# Altium PCB RobotCtrl.PcbDoc (part 2 of 2)
Units mil, origin at the board's own origin, x right, y up, seen from the top; angles counter-clockwise.
Board outline 4952 x 3089 mil, 2 copper layers (Top Layer, Bottom Layer); 127 components, 102 nets, 567 pads, 140 vias.
Unrouted connection lines stored in the file: 14.
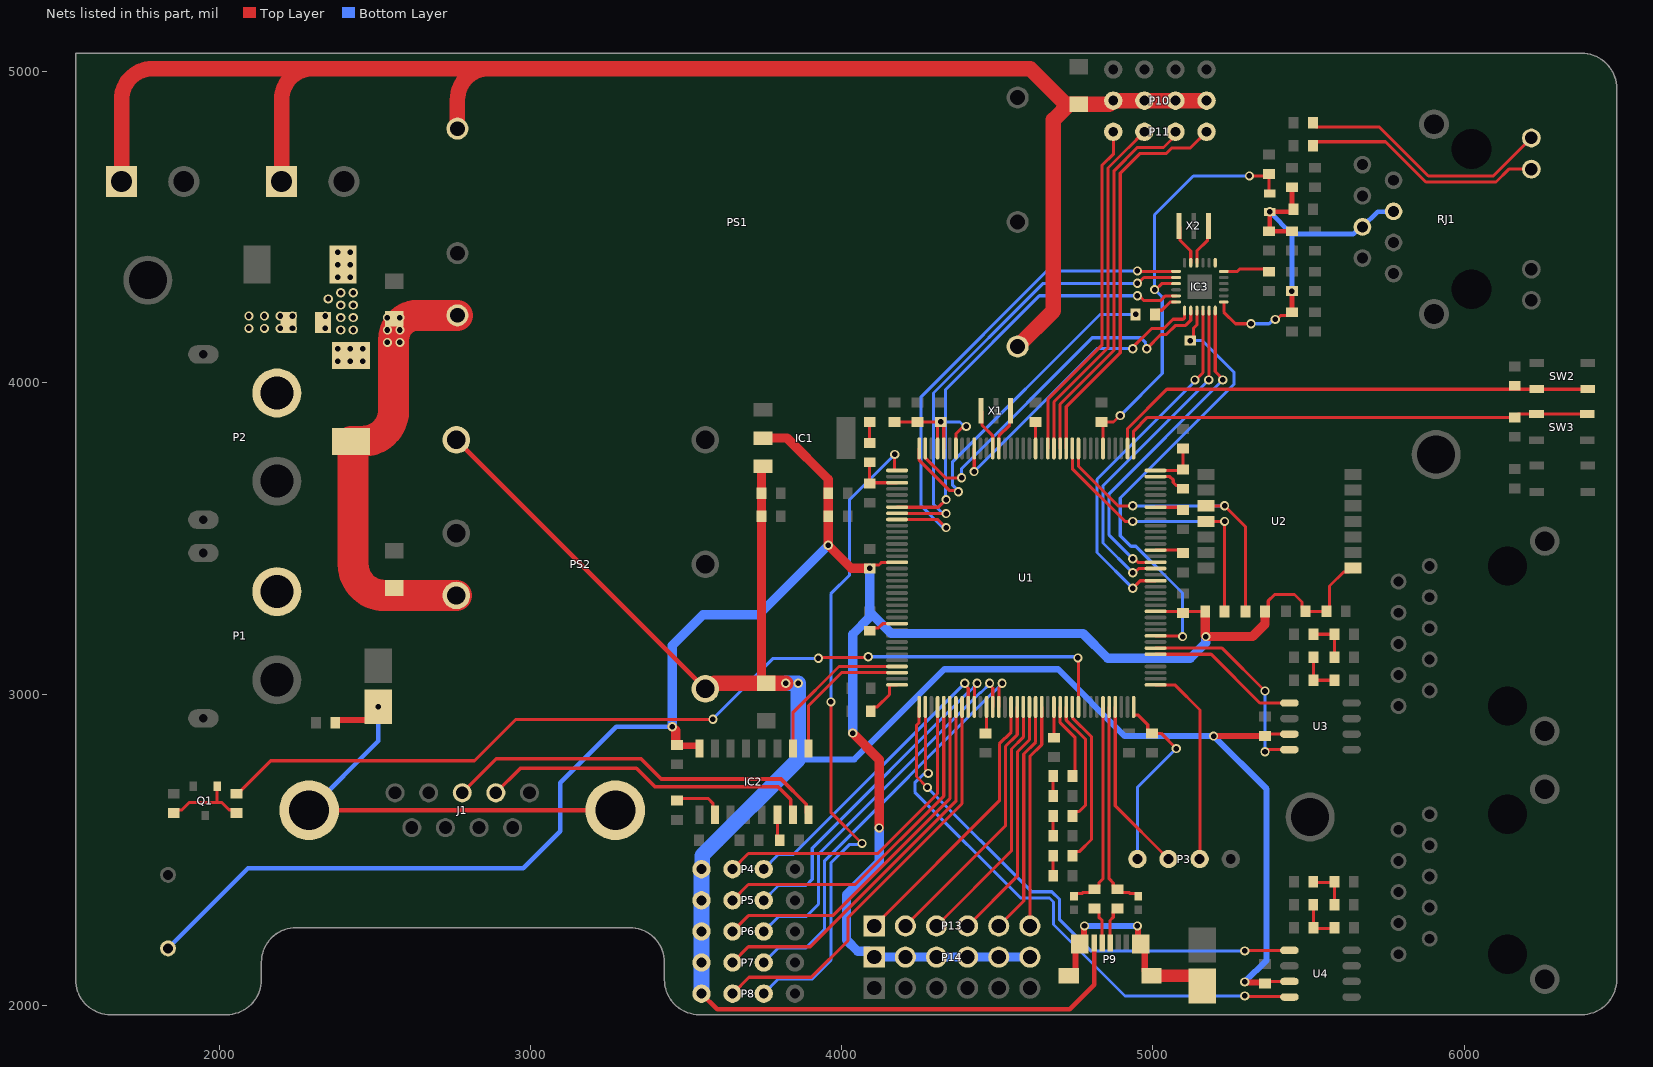
[diagram p2: the nets of this part, all layers, seen from the top]

## Via types
v1: diameter 29.53, hole 17.72, Top Layer to Bottom Layer, 136 vias
v2: diameter 23.86, hole 11.81, Top Layer to Bottom Layer, 4 vias

## Nets (pads, with @x,y where several pads share a name; then routed paths per layer and width w, separated by ;. In a path a pad name is that pad's centre, name@x,y a point inside that pad or via, vN(x,y) a via of type N, cw(c..) or ccw(c..) an arc to the next point about the centre after c; other vN are vias at no path point) (continued)
NetC37_2: C37.2 IC2.2 | length 164.4
  Top Layer w10: C37.2@3470.23,2658.1 3477.13,2665 3570,2665 3585.83,2649.17 3585.83,2619.76 IC2.2@3592.89,2612.7
NetC38_2: C38.2 IC2.6 | length 85.6
  Top Layer w10: IC2.6@3792.89,2612.7 3792.89,2538.29 C38.2@3800.78,2530.4
NetC41_2: C41.2 SW2.1 U1.2 | length 1613.6
  Top Layer w10: U1.2@4918.08,3789.51 4918.17,3789.59 4918.17,3853.17 5044.68,3979.68 C41.2@6177.17,3979.68 ; C41.2@6162.8,3990.9 6165.95,3990.9 C41.2@6177.17,3979.68 ; SW2.1@6396.69,3979.68 SW2.1@6233.31,3979.68 C41.2@6177.17,3979.68
NetC42_1: C42.1 R18.2 R20.1 | length 148.9
  Top Layer w10: R20.1@5515.63,3192.18 R18.2@5582.18,3192.18 ; C42.1@5583.31,3118.3 5583.31,3178.28 5576.59,3185 5575,3185 R18.2@5582.18,3192.18 ; R18.2@5583.31,3192.18 R18.2@5582.18,3192.18
NetC43_1: C43.1 R19.1 R21.2 | length 141.6
  Top Layer w10: C43.1@5515.63,3118.3 R21.2@5515.63,3044.41 R19.1@5583.31,3044.41
NetC45_2: C45.2 SW3.1 U1.1 | length 1536.3
  Top Layer w10: U1.1@4937.77,3789.51 4937.77,3845.05 4981.92,3889.2 C45.2@6162.8,3889.2 6173.55,3899.95 SW3.1@6232.37,3899.95 ; SW3.1@6232.37,3900.42 SW3.1@6395.76,3900.42
NetC46_1: C46.1 R23.2 R25.1 | length 148.9
  Top Layer w10: R25.1@5515.63,2394.77 R23.2@5582.18,2394.77 ; C46.1@5583.31,2320.88 5583.31,2380.87 5576.59,2387.59 5575,2387.59 R23.2@5582.18,2394.77 ; R23.2@5583.31,2394.77 R23.2@5582.18,2394.77
NetC47_1: C47.1 R24.1 R26.2 | length 141.6
  Top Layer w10: C47.1@5515.63,2320.88 5515.63,2247 R24.1@5583.31,2247
NetD1_1: D1.1 D2.2 F1.2
  other v1: 2380,4070 2420,4070 2460,4070 2380,4110 2420,4110 2460,4110 2390,4170 2430,4170 2340,4175 2390,4210 2430,4210 2340,4215 2390,4250 2430,4250 2350,4270 2390,4290 2430,4290 2380,4340 2420,4340 2380,4380 2420,4380 2380,4420 2420,4420
NetD3_A: D3.1 R1.1 | length 67.7
  Top Layer w10: R1.1@4089.72,3806.93 D3.1@4089.72,3874.61
NetD4_2: D4.2 J1.MH1 J1.MH2 R11.2 | length 1575.1
  Top Layer w15: J1.MH1@2288.44,2626.95 J1.MH2@3272.46,2626.95
  Top Layer w20: R11.2@2372.64,2907.6 2372.64,2910.75 2378.39,2916.5 2476.6,2916.5 2510.89,2950.79 v1(2510.89,2959.32)
  Bottom Layer w15: J1.MH1@2288.44,2626.95 2510.89,2849.4 v1(2510.89,2959.32)
NetD5_A: D5.1 R22.1 | length 64
  Top Layer w10: D5.1@4679.3,2672.67 R22.1@4679.3,2736.67
NetD6_A: D6.1 R27.1 | length 64
  Top Layer w10: D6.1@4679.3,2544.67 R27.1@4679.3,2608.67
NetD7_A: D7.1 R28.1 | length 64
  Top Layer w10: D7.1@4679.3,2416.67 R28.1@4679.3,2480.67
NetD10_1: D10.1 P9.EH | length 673.8
  Top Layer w20: P9.EH@4729.41,2095.03 4735.41,2095.03 4751,2110.62 4751,2183.04 P9.EH@4764.37,2196.41 4778.18,2210.21 4778.18,2253.18 v1(4780,2255) ; v1(4950,2255) 4951.82,2253.18 4951.82,2204.79 P9.EH@4960.2,2196.41 ; P9.EH@4973.57,2110.62 P9.EH@4973.57,2183.04
  Top Layer w40: P9.EH@4995.16,2095.03 5137.49,2095.03 5158.71,2073.81 D10.1@5158.71,2062
  Bottom Layer w20: v1(4780,2255) v1(4950,2255)
NetF1_1: F1.1 P1.1 P2.1
  other v1: 2095,4175 2145,4175 2195,4175 2235,4175 2095,4215 2145,4215 2195,4215 2235,4215
NetIC2_9: IC2.9 U1.70 | length 466.6
  Top Layer w10: IC2.9@3892.89,2825.3 3892.89,2962.89 3999.04,3069.04 U1.70@4177.93,3069.04
NetIC2_10: IC2.10 U1.69 | length 511.7
  Top Layer w10: IC2.10@3842.89,2825.3 3842.89,2940.61 3991,3088.72 U1.69@4177.93,3088.72
NetIC3_4: IC3.4 X2.1 | length 133.8
  Top Layer w10: IC3.4@5141.06,4385.97 5141.06,4423.89 5175.75,4458.57 5175.75,4501.33 X2.1@5178.62,4504.2
NetIC3_5: IC3.5 X2.3 | length 133.8
  Top Layer w10: X2.3@5083.82,4504.2 5086.69,4501.33 5086.69,4458.57 5121.38,4423.89 IC3.5@5121.38,4385.97
NetIC3_7: IC3.7 U1.45 | length 1614.7
  Top Layer w10: U1.45@4177.93,3561.16 4308.84,3561.16 v1(4335,3535) ; v1(4950,4360) 4951.51,4358.49 5074.05,4358.49 IC3.7@5074.13,4358.41
  Bottom Layer w10: v1(4335,3535) 4331.26,3538.74 4321.26,3538.74 4255,3605 4255,3955.44 4659.56,4360 v1(4950,4360)
NetIC3_8: IC3.8 U1.44 | length 1500.4
  Top Layer w10: U1.44@4177.93,3580.85 4334.15,3580.85 v1(4335,3580) ; v1(4950,4320) 4952.09,4320 4970.82,4338.73 IC3.8@5074.13,4338.73
  Bottom Layer w10: v1(4335,3580) 4331.26,3583.74 4321.26,3583.74 4295,3610 4295,3967.72 4647.28,4320 v1(4950,4320)
NetIC3_11: IC3.11 U1.43 | length 1405
  Top Layer w10: U1.43@4177.93,3600.53 4310.31,3600.53 4334.77,3625 v1(4335,3625) ; IC3.11@5074.05,4279.75 IC3.11@5074.13,4279.67 5039.67,4279.67 5025,4265 4970.28,4265 v1@4955.53,4279.75 ; v1@4955.53,4279.75 4955.28,4280 v1(4950,4280) 4950.25,4279.75 v1@4955.53,4279.75
  Bottom Layer w10: v1(4335,3625) 4333.39,3626.61 4333.39,3978.39 4635,4280 v1(4950,4280)
NetIC3_12: IC3.12 R8.1 | length 86.2
  Top Layer w10: R8.1@5006.1,4220 5006.1,4222.73 5016.85,4233.48 5028.48,4233.48 5054.99,4259.99 IC3.12@5074.13,4259.99
NetIC3_13: IC3.13 U1.27 | length 981.8
  Top Layer w10: v1(4425,3715) 4425.61,3715.61 4425.61,3789.16 U1.27@4425.96,3789.51 ; v1(4935,4110) 4935,4114.14 4995.86,4175 5035,4175 5064.6,4204.6 5096.88,4204.6 5101.69,4209.41 IC3.13@5101.69,4232.43
  Bottom Layer w10: v1(4425,3715) 4820,4110 v1(4935,4110)
NetIC3_14: IC3.14 U1.35 | length 1205.7
  Top Layer w10: U1.35@4268.48,3789.51 4268.48,3759.98 4333.46,3695 v1(4385,3695) ; v1(4980,4110) 5025.4,4155.4 5043.12,4155.4 5072.72,4185 5105,4185 5121.38,4201.38 IC3.14@5121.38,4232.43
  Bottom Layer w10: v1(4385,3695) 4385,3725 4805,4145 4960.28,4145 4976.59,4128.68 4976.59,4113.41 v1(4980,4110)
NetIC3_15: IC3.15 R12.1 U1.117 | length 1467.6
  Top Layer w10: U1.117@5008.63,3187.15 5008.98,3186.8 5093.2,3186.8 v1(5095,3185) ; v1(5120,4136.1) 5130,4146.1 5130,4175 5141.06,4186.06 IC3.15@5141.06,4232.43
  Bottom Layer w10: v1(5095,3185) 5095,3325 4945,3475 4929,3475 4895,3509 4895,3630 5260,3995 5260,4035 5158.9,4136.1 v1(5120,4136.1)
NetIC3_16: IC3.16 U1.126 | length 1166.3
  Top Layer w10: v1(4935,3340) 4959.31,3364.31 U1.126@5008.63,3364.31 ; v1(5135,4009.44) 5137.33,4009.44 5160.75,4032.86 IC3.16@5160.75,4232.43
  Bottom Layer w10: v1(4935,3340) 4820,3455 4820,3690 5135,4005 v1(5135,4009.44)
NetIC3_17: IC3.17 U1.128 | length 1102.4
  Top Layer w10: v1(4935,3390) 4940.28,3390 4953.97,3403.68 U1.128@5008.63,3403.68 ; v1(5179.42,4009.44) 5180.35,4010.37 IC3.17@5180.43,4232.43 IC3.17@5180.43,4232.43
  Bottom Layer w10: v1(4935,3390) 4839.6,3485.4 4839.6,3669.62 v1(5179.42,4009.44)
NetIC3_18: IC3.18 U1.129 | length 1068.7
  Top Layer w10: v1(4935,3435) 4940.28,3435 4951.92,3423.37 U1.129@5008.63,3423.37 ; IC3.18@5200.12,4232.43 5200.12,4036.42 5224.53,4012.01 v1(5224.53,4009.44)
  Bottom Layer w10: v1(4935,3435) 4859.2,3510.8 4859.2,3644.11 v1(5224.53,4009.44)
NetIC3_24: IC3.24 R13.1 | length 152.2
  Top Layer w10: IC3.24@5227.68,4358.41 5271.69,4358.41 5279.88,4366.6 5363.54,4366.6 R13.1@5372.72,4357.42
NetP3_2: P3.2 U1.109 | length 655.1
  Top Layer w10: U1.109@5008.63,3029.67 5070.33,3029.67 5150.89,2949.11 5150.89,2470.89 P3.2@5150,2470
NetP3_3: P3.3 U1.105 | length 559.7
  Top Layer w10: U1.105@4878.71,2958.8 4878.8,2958.71 4878.8,2641.2 P3.3@5050,2470
NetP4_2: P4.2 U1.76 | length 1037.8
  Top Layer w10: P4.2@3649.3,2437.45 3699.85,2488 4115.84,2488 4307.85,2680 U1.76@4307.85,2958.8
NetP4_3: P4.3 U1.81 | length 974.1
  Top Layer w10: v1(4395,3035) 4395,3029.72 4406.27,3018.44 U1.81@4406.27,2958.8
  Bottom Layer w10: P4.3@3749.3,2437.45 3796.85,2485 3845,2485 v1(4395,3035)
NetP5_2: P5.2 U1.77 | length 1103.6
  Top Layer w10: P5.2@3649.3,2337.45 3699.85,2388 4043.56,2388 4327.53,2671.97 U1.77@4327.53,2958.8
NetP5_3: P5.3 U1.82 | length 1114.4
  Top Layer w10: U1.82@4425.96,2958.8 4425.96,3020.67 4435,3029.72 v1(4435,3035)
  Bottom Layer w10: P5.3@3749.3,2337.45 3796.85,2385 3885,2385 3905,2405 3905,2505 4405.24,3005.24 4407.33,3005.24 4435,3032.91 v1(4435,3035)
NetP6_2: P6.2 U1.78 | length 1169.4
  Top Layer w10: P6.2@3649.3,2237.45 3699.85,2288 3971.28,2288 4347.22,2663.94 U1.78@4347.22,2958.8
NetP6_3: P6.3 U1.85 | length 1231.4
  Top Layer w10: v1(4475,3035) 4475,3029.72 4485.01,3019.71 U1.85@4485.01,2958.8
  Bottom Layer w10: P6.3@3749.3,2237.45 3796.85,2285 3885,2285 3925,2325 3925,2485 4445.24,3005.24 4447.33,3005.24 4475,3032.91 v1(4475,3035)
NetP7_2: P7.2 U1.79 | length 1235.3
  Top Layer w10: P7.2@3649.3,2137.45 3699.85,2188 3899,2188 4366.82,2655.82 4366.82,2958.71 U1.79@4366.9,2958.8
NetP7_3: P7.3 U1.86 | length 1348
  Top Layer w10: U1.86@4504.7,2958.8 4504.7,3019.41 4515,3029.72 v1(4515,3035)
  Bottom Layer w10: P7.3@3749.3,2137.45 3796.85,2185 3885,2185 3945,2245 3945,2465 4485.24,3005.24 4487.33,3005.24 4515,3032.91 v1(4515,3035)
NetP8_2: P8.2 U1.80 | length 1344
  Top Layer w10: P8.2@3649.3,2037.45 3701.85,2090 3902,2090 4020,2208 4020,2281.28 4386.59,2647.87 U1.80@4386.59,2958.8
NetP8_3: P8.3 U1.37 | length 2133.6
  Top Layer w10: v1(3965,2975) 3965,2620 v1(4065,2520) ; v1(4170,3770) 4170,3719.48 4170.84,3718.64 U1.37@4177.93,3718.64
  Bottom Layer w10: P8.3@3749.3,2037.45 3796.85,2085 3905,2085 3965,2145 3965,2457.28 4023.98,2516.26 4061.26,2516.26 v1(4065,2520) ; v1(3965,2975) 3965,3322.09 4025,3382.09 4025,3625 v1(4170,3770)
NetP9_2: P9.2 R29.2 | length 123.2
  Top Layer w10: R29.2@4812.29,2311.04 4815.44,2311.04 4826.18,2300.29 4826.18,2282.82 4836.7,2272.3 P9.2@4836.7,2199.76
NetP9_3: P9.3 R30.2 | length 123.2
  Top Layer w10: P9.3@4861.76,2199.76 4861.76,2272.3 4872.27,2282.82 4872.27,2300.29 4883.02,2311.04 R30.2@4886.17,2311.04
NetP11_1: P11.1 U1.12 | length 1289
  Top Layer w10: U1.12@4721.23,3789.51 4721.23,3923.33 4894.83,4096.92 4894.83,4674.04 4957.54,4736.76 5041.76,4736.76 5060,4755 5120.35,4755 P11.1@5172.35,4807
NetP11_2: P11.2 U1.13 | length 1221.1
  Top Layer w10: U1.13@4701.2,3789.16 4701.2,3931.01 4874.97,4104.78 4874.97,4597.69 4875.23,4597.69 4875.23,4682.16 4949.43,4756.36 5033.64,4756.36 5072.35,4795.07 P11.2@5072.35,4807
NetP11_3: P11.3 U1.14 | length 1138.2
  Top Layer w10: U1.14@4681.86,3789.51 4681.86,3939.02 4855.63,4112.79 4855.63,4690.63 4920,4755 4920.17,4754.83 P11.3@4972.35,4807
NetP11_4: P11.4 U1.15 | length 1105.6
  Top Layer w10: U1.15@4662.18,3789.51 4662.18,3947.18 4835.94,4120.94 4835.94,4698.66 4873.64,4736.36 4873.64,4805.71 P11.4@4872.35,4807
NetP13_1: P13.1 U1.88 | length 885.9
  Top Layer w10: P13.1@4104.44,2255 4506.44,2657 4506.44,2840.03 4544.07,2877.66 U1.88@4544.07,2958.8
NetP13_2: P13.2 U1.89 | length 852.6
  Top Layer w10: P13.2@4204.44,2255 4526.04,2576.6 4526.04,2831.91 4563.75,2869.63 U1.89@4563.75,2958.8
NetP13_3: P13.3 U1.90 | length 819.4
  Top Layer w10: P13.3@4304.44,2255 4545.64,2496.2 4545.64,2823.8 4583.44,2861.59 U1.90@4583.44,2958.8
NetP13_4: P13.4 U1.91 | length 786.1
  Top Layer w10: P13.4@4404.44,2255 4565.24,2415.8 4565.24,2815.68 4603.12,2853.56 U1.91@4603.12,2958.8
NetP13_5: P13.5 U1.92 | length 752.8
  Top Layer w10: P13.5@4504.44,2255 4584.84,2335.4 4584.84,2807.56 4622.81,2845.53 U1.92@4622.81,2958.8
NetP13_6: P13.6 U1.93 | length 719.6
  Top Layer w10: P13.6@4604.44,2255 4604.44,2799.44 4642.49,2837.49 U1.93@4642.49,2958.8
NetQ1_1: Q1.1 R14.2 R17.2 | length 284
  Top Layer w10: R17.2@1853.56,2617.49 1863.53,2627.46 1879.46,2627.46 1904,2652 1997,2652 ; Q1.1@1992.51,2703.66 1992.51,2656.49 1997,2652 ; R14.2@2055.46,2617.49 2044.71,2628.24 2030.76,2628.24 2007,2652 1997,2652
NetR2_2: R2.2 U1.138 | length 91.7
  Top Layer w10: U1.138@5008.63,3600.53 5088.31,3600.53 R2.2@5096.84,3592
NetR3_2: R3.2 U1.143 | length 109.4
  Top Layer w10: U1.143@5008.63,3698.96 5054.41,3698.96 5065,3688.37 5065,3680 5074.57,3670.43 5086.09,3670.43 R3.2@5096.84,3659.68
NetR8_2: R8.2 U1.36 | length 1094.7
  Top Layer w10: U1.36@4248.79,3789.51 4248.88,3789.42 4248.88,3751.86 4347,3653.74 4371.26,3653.74 v1(4375,3650)
  Bottom Layer w10: v1(4375,3650) 4375,3652.56 4355.24,3672.33 4355.24,3745.24 4830,4220 v1(4943.9,4220)
NetR9_2: R9.2 RJ1.12 | length 825
  Top Layer w10: R9.2@5514.16,4835.85 5514.16,4832.7 5524.91,4821.95 5728.05,4821.95 5885,4665 6093.95,4665 RJ1.12@6215.98,4787.03
NetR10_2: R10.2 RJ1.11 | length 779.5
  Top Layer w10: R10.2@5514.16,4761.97 5514.16,4764.25 5524.91,4775 5747.28,4775 5876.88,4645.4 6102.07,4645.4 6143.69,4687.03 RJ1.11@6215.98,4687.03
NetR14_1: R14.1 U1.99 | length 3046.6
  Top Layer w10: R14.1@2055.46,2679.7 2058.61,2679.7 2164.91,2786 2820,2786 2953,2919 v1(3586,2919) ; v1(3925,3115) 3927.5,3117.5 4082.5,3117.5 v1(4085,3120) ; v1(4758.74,3116.26) 4758.74,3105.94 4760.3,3104.38 4760.3,2959.1 U1.99@4760.6,2958.8
  Bottom Layer w10: v1(3586,2919) 3586,2921 3780,3115 v1(3925,3115) ; v1(4085,3120) 4755,3120 v1(4758.74,3116.26)
NetR15_1: R15.1 U1.11 U2.11 | length 974.1
  Top Layer w10: U1.11@4740.92,3789.51 4741,3789.42 4741,3724 4910,3555 v1(4935,3555) ; U2.11@5170.35,3555.23 5170.58,3555 v1(5230,3555) 5230,3265.33 R15.1@5230.1,3265.23
  Bottom Layer w10: v1(4935,3555) v1(5230,3555)
NetR16_1: R16.1 U1.10 U2.12 | length 1007
  Top Layer w10: U1.10@4760.6,3789.51 4760.6,3732.12 4887.72,3605 v1(4935,3605) ; U2.12@5170.35,3605.23 5170.58,3605 v1(5230,3605) 5297.78,3537.22 R16.1@5297.78,3265.23
  Bottom Layer w10: v1(4935,3605) v1(5230,3605)
NetR22_2: R22.2 U1.96 | length 245.7
  Top Layer w10: U1.96@4701.55,2958.8 4701.55,2908.37 4750,2859.91 4750,2745.17 R22.2@4741.5,2736.67
NetR27_2: R27.2 U1.97 | length 428.5
  Top Layer w10: U1.97@4721.23,2929.27 U1.97@4721.23,2958.8 4721.39,2958.64 4721.39,2916.39 4783,2854.77 4783,2643 4762.57,2622.57 4752.25,2622.57 4741.5,2611.82 R27.2@4741.5,2608.67
NetR28_2: R28.2 U1.98 | length 536.3
  Top Layer w10: U1.98@4740.92,2958.8 4741.09,2958.63 4741.09,2924.55 4802.7,2862.93 4802.7,2532.7 4764.57,2494.57 4752.25,2494.57 4741.5,2483.82 R28.2@4741.5,2480.67
NetU1_23: U1.23 X1.3 | length 136.4
  Top Layer w10: U1.23@4504.99,3789.51 4504.99,3829.99 4539.37,3864.37 4539.37,3907.61 X1.3@4542.24,3910.49
NetU1_24: U1.24 X1.1 | length 136.4
  Top Layer w10: X1.1@4447.76,3910.49 4450.63,3907.61 4450.63,3864.37 4485.01,3829.99 U1.24@4485.01,3789.51
NetU1_73: U1.73 U4.1 | length 1696.5
  Top Layer w10: U1.73@4248.79,2958.8 4248.79,2908.79 4240,2900 4240,2735 v1(4275,2700) ; v1(5295,2175) 5295.82,2175.82 5437.53,2175.82 U4.1@5438.35,2176.64
  Bottom Layer w10: v1(4275,2700) 4610,2365 4675,2365 4700,2340 4700,2275 4800,2175 v1(5295,2175)
NetU1_74: U1.74 U4.4 | length 1821.7
  Top Layer w10: U1.74@4268.48,2958.8 4268.48,2759.89 4278.08,2750.28 v1(4278.08,2745) ; v1(5295,2030) 5296.68,2028.32 5436.67,2028.32 U4.4@5438.35,2026.64
  Bottom Layer w10: v1(4278.08,2745) 4274.35,2741.26 4261.26,2741.26 4235,2715 4235,2685 4575,2345 4667.28,2345 4680.4,2331.88 4680.4,2259.6 4910,2030 v1(5295,2030)
NetU1_114: U1.114 U3.1 | length 494.6
  Top Layer w10: U1.114@5008.63,3128.09 5186.91,3128.09 5343.53,2971.47 U3.1@5438.35,2971.47
NetU1_115: U1.115 U3.4 | length 684.5
  Top Layer w10: U1.115@5008.63,3147.78 5222.22,3147.78 v1(5360,3010) ; v1(5360,2815) 5365.28,2815 5371.75,2821.47 U3.4@5438.35,2821.47
  Bottom Layer w10: v1(5360,2815) v1(5360,3010)
RS232_RX: IC2.8 J1.3 | length 1247.4
  Top Layer w12: J1.3@2780.45,2682.93 2889.52,2792 3355,2792 3420,2727 3805,2727 3886.09,2645.91 3886.09,2619.49 IC2.8@3892.89,2612.7
RS232_TX: IC2.7 J1.2 | length 1073.3
  Top Layer w12: J1.2@2888.44,2682.93 2967.51,2762 3340,2762 3400,2702 3795,2702 3836.09,2660.91 3836.09,2619.49 IC2.7@3842.89,2612.7
USB_D_N: D8.2 R29.1 U1.103 | length 675.3
  Top Layer w10: D8.2@4745.73,2350.12 4745.73,2351.1 4753.53,2358.9 4759.29,2358.9 4759.39,2359 4772,2359 4776,2363 4802.04,2363 R29.1@4812.29,2373.25 4815.44,2373.25 4826.18,2383.99 4826.18,2393.18 4839.34,2406.34 U1.103@4839.34,2958.8
USB_D_P: D9.2 R30.1 U1.104 | length 675.3
  Top Layer w10: U1.104@4859.11,2958.8 4859.11,2406.34 4872.27,2393.18 4872.27,2383.99 4883.02,2373.25 R30.1@4886.17,2373.25 4896.42,2363 4922.46,2363 4926.46,2359 4939.07,2359 4939.17,2358.9 4944.93,2358.9 4952.72,2351.1 D9.2@4952.72,2350.12
VBAT: C1.1 C3.1 D1.2 PS1.3 PS2.3 | length 1422.7
  Top Layer w100: D1.2@2422.9,3812.17 2460,3812.17 ccw(c2460,3912.17) 2560,3912.17 2560,4140 cw(c2637,4140) 2637,4217 PS1.3@2765,4217 ; D1.2@2430,3780 2430,3417 ccw(c2530,3417) 2530,3317 PS2.3@2761.65,3317
  other v1: 2540,4130 2580,4130 2540,4170 2580,4170 2540,4210 2580,4210
VBUS: C4.1 C5.2 C6.2 C44.2 C48.2 IC1.3 P4.1 P5.1 P6.1 P7.1 P8.1 P9.1 PS2.1 PS2.4 U3.3 U4.3 | length 7535.3
  Top Layer w10: C44.2@5360.4,2865.36 5366.5,2871.47 U3.3@5438.35,2871.47 ; C48.2@5366.5,2076.64 U4.3@5438.35,2076.64
  Top Layer w15: PS2.1@2761.65,3817 PS2.4@3561.65,3017 ; P8.1@3549.3,2037.45 3599.63,1987.11 3987.11,1987.11 4732.11,1987.11 4811.1,2066.1 P9.1@4811.1,2199.76
  Top Layer w20: v1(5195,2865) 5195.18,2865.18 5360.22,2865.18 C44.2@5360.4,2865.36 ; v1(5295,2075) 5296.82,2073.18 5357.76,2073.18 C48.2@5360.4,2070.54
  Top Layer w30: IC1.3@3747.51,3732.34 3741.83,3726.66 C6.2@3741.83,3645.11 C5.2@3741.83,3571.23 3741.83,3044.83 3752,3034.66 C4.1@3757,3034.66
  Top Layer w50: PS2.4@3561.65,3017 3572.09,3017 3589.75,3034.66 C4.1@3752,3034.66 ; C4.1@3757,3034.66 v1@3820,3034.66
  Bottom Layer w20: 3860,2790 4040,2790 4330,3080 4695,3080 4910,2865 v1(5195,2865) 5365,2695 5365,2145 v1(5295,2075)
  Bottom Layer w50: P8.1@3549.3,2037.45 P7.1@3549.3,2137.45 P6.1@3549.3,2237.45 P5.1@3549.3,2337.45 P4.1@3549.3,2437.45 3551.03,2439.18 3551.03,2481.03 3860,2790 v1(3860,3035) v1(3820,3035)
VCC_3V3: BUZZER1.1 C7.2 C8.2 C12.2 C13.2 C14.2 C15.2 C16.2 C17.2 C18.2 C19.2 C20.2 C21.2 C22.2 C23.2 C24.2 C25.2 C26.2 C27.2 C29.2 C39.1 C40.1 IC1.2 IC2.16 IC3.9 L1.1 P3.4 P14.1 P14.2 P14.3 P14.4 P14.5 P14.6 R1.2 R3.1 R15.2 R16.2 U1.6 U1.17 U1.30 U1.32 U1.33 U1.39 U1.52 U1.62 U1.72 U1.84 U1.95 U1.108 U1.121 U1.131 U1.144 U2.1 | length 11288.2
  Top Layer w10: C19.2@4089.72,3203.9 4098.06,3212.24 4117.24,3212.24 4131.52,3226.52 U1.62@4177.93,3226.52 ; C18.2@4089.72,3403.9 4100.47,3414.65 4119.65,3414.65 4128.37,3423.37 U1.52@4177.93,3423.37 ; R1.2@4089.72,3744.73 C21.2@4089.72,3677.05 4091.94,3679.27 U1.39@4177.93,3679.27 ; C20.2@4092.82,2948.15 4103.57,2958.9 4113.9,2958.9 4153.4,2998.4 4153.4,3028.83 4154.23,3029.67 U1.72@4177.93,3029.67 ; C12.2@4169.41,3874.61 C26.2@4243.29,3874.61 v1(4318.29,3874.61) ; U1.33@4307.85,3789.51 4307.85,3864.17 v1(4318.29,3874.61) ; U1.32@4327.53,3789.51 C25.2@4327.53,3865.37 ; C25.2@4327.91,3865 C25.2@4327.53,3865.37 ; U1.30@4366.9,3789.51 4366.9,3836.9 4386.26,3856.26 4396.26,3856.26 v1(4400,3860) ; C22.2@4462.18,2873.69 4465.33,2876.84 U1.84@4465.33,2958.8 ; C15.2@4622.18,3874.61 4622.81,3873.98 U1.17@4622.81,3789.51 ; U1.95@4681.86,2958.8 4681.86,2860.31 C23.2@4682.4,2859.78 ; U1.6@4839.34,3789.51 4839.34,3870.27 C13.2@4835,3874.61 4873.3,3874.61 4893.68,3895 v1(4895,3895) ; U1.108@4937.77,2958.8 4937.77,2934.31 4938.6,2933.47 4951.53,2933.47 4983.28,2901.72 4983.28,2884.44 4994.03,2873.69 C24.2@4997.18,2873.69 5026.31,2873.69 v1(5075,2825) ; v1(5005,4300) 5009.01,4300 5028.05,4319.04 IC3.9@5074.13,4319.04 ; U1.121@5008.63,3265.89 5167.24,3265.89 R15.2@5167.9,3265.23 ; U1.131@5008.63,3462.74 5087.21,3462.74 C17.2@5096.84,3453.1 ; U1.144@5008.63,3718.64 5093.6,3718.64 R3.1@5096.84,3721.88 C14.2@5096.84,3789.56 ; v1(5310,4665) 5366.43,4665 C27.2@5372.72,4671.29 5372.72,4611.23 ccw(c5375.13,4611.23) L1.1@5375.13,4608.82 ; R16.2@5359.99,3265.23 5370.54,3275.78 5370.54,3299.68 5390.86,3320 5455,3320 5479.12,3295.88 5479.12,3276.81 C39.1@5489.87,3266.06 C40.1@5557.55,3266.06 5567.24,3275.75 5567.24,3347.24 5612.52,3392.52 5630.07,3392.52 U2.1@5642.79,3405.23 ; v1(4318.29,3874.61) C25.2@4327.53,3865.37
  Top Layer w20: C29.2@3470.23,2836.82 3473.03,2834.02 3540.09,2834.02 3542.89,2831.23 IC2.16@3542.89,2825.3
  Top Layer w30: v1(3455,2895) 3466.34,2883.66 3466.34,2837.56 3467.08,2836.82 C29.2@3470.23,2836.82 ; IC1.2@3747.51,3822.89 3824.11,3822.89 3956.73,3690.27 C7.2@3956.73,3645.11 C8.2@3956.73,3571.23 v1(3956.73,3478.27) 4030.35,3404.65 4088.97,3404.65 C18.2@4089.72,3403.9 ; v1(4035,2875) 4120,2790 v1(4120,2570) ; R15.2@5167.9,3265.23 5167.9,3187.1 v1(5170,3185) 5320,3185 5359.99,3224.99 R16.2@5359.99,3265.23
  Bottom Layer w10: v1(4318.29,3874.61) 4380.1,3874.61 4394.72,3860 v1(4400,3860) ; v1(4895,3895) 5030,4030 5030,4275.84 5005.84,4300 v1(5005,4300) 5005,4540 5130,4665 v1(5310,4665) ; P3.4@4950,2470 4950,2700 v1(5075,2825)
  Bottom Layer w15: BUZZER1.1@1835,2182.98 2092.02,2440 2976.21,2440 3095,2558.79 3095,2715 3275,2895 v1(3455,2895)
  Bottom Layer w30: v1(3455,2895) 3455,3156 3554.13,3255.13 3733.6,3255.13 v1(3956.73,3478.27) ; v1(4035,2875) 4035,3192.5 4090,3247.5 4090,3263.7 ; v1(4090,3405) 4090,3263.7 ; v1(4120,2570) 4120,2460 4015,2355 4015,2210 4051.44,2173.56 4085.89,2173.56 P14.1@4104.44,2155 P14.2@4204.44,2155 P14.3@4304.44,2155 P14.4@4404.44,2155 P14.5@4504.44,2155 P14.6@4604.44,2155 ; v1(5170,3185) 5170,3165 5120,3115 4855,3115 4775,3195 4158.7,3195 4090,3263.7
VCC_3V3E: C28.2 C36.2 IC3.1 IC3.19 L1.2 R4.2 R5.2 R6.2 R7.2 RJ1.4 RJ1.5 | length 1284.6
  Top Layer w10: IC3.19@5227.68,4259.99 5227.68,4227.32 5265,4190 v1(5315,4190) ; v1(5392.86,4204.24) 5398.14,4204.24 5410.46,4216.55 5432.7,4216.55 5443.45,4227.3 R4.2@5446.6,4227.3
  Top Layer w15: R4.2@5446.6,4227.3 v1(5446.6,4294.98) ; R6.2@5446.6,4487.42 5446.6,4487.3 C28.2@5372.72,4487.3 ccw(c5372.72,4489.71) 5375.13,4489.71 v1(5375.13,4549.77) 5443.53,4549.77 ccw(c5443.53,4558.2) 5446.6,4550.35 ccw(c5443.53,4558.2) C36.2@5451.96,4558.2 cw(c5451.96,4563.56) 5446.6,4563.56 R7.2@5446.6,4628.98
  Bottom Layer w10: v1(5315,4190) 5373.34,4190 5387.57,4204.24 v1(5392.86,4204.24)
  Bottom Layer w15: v1(5375.13,4549.77) 5446.6,4478.3 ; v1(5446.6,4294.98) 5446.6,4478.3 ; RJ1.5@5773.06,4551.2 5772.1,4550.24 5722.1,4550.24 RJ1.4@5673.06,4501.2 5666.22,4501.2 5643.31,4478.3 5446.6,4478.3
VCC_12V: C2.1 J2.1 J3.1 P10.1 P10.2 P10.3 P10.4 PS1.1 PS1.4 | length 5376.4
  Top Layer w50: J3.1@1685.73,4647 1685.73,4910 cw(c1785.73,4910) 1785.73,5010 2300.07,5010 ; J2.1@2200.07,4647 2200.07,4910 cw(c2300.07,4910) 2300.07,5010 ; PS1.1@2765,4817 2765,4910 cw(c2865,4910) 2865,5010 ; PS1.4@4565,4117 4680,4232 4680,4845 4731,4896 ; P10.4@5172.35,4907 P10.3@5072.35,4907 P10.2@4972.35,4907 4869.9,4907 4858.9,4896 C2.1@4762,4896 4731,4896 ; 2300.07,5010 2865,5010 ; 2865,5010 4605,5010 4695.05,4919.95 4719,4896 4731,4896
pads on no net: IC1.4 IC2.11 IC2.12 IC2.13 IC2.14 IC3.6 IC3.10 J1.1 J1.4 J1.6 J1.7 J1.8 J1.9 P1.0 P2.0 P9.4 PS1.6 PS2.5 RJ2.3 RJ2.4 RJ2.5 RJ2.6 RJ2.7 RJ2.8 RJ2.9 RJ2.10 RJ3.3 RJ3.4 RJ3.5 RJ3.6 RJ3.7 RJ3.8 RJ3.9 RJ3.10 U1.3 U1.4 U1.5 U1.7 U1.8 U1.9 U1.18 U1.19 U1.20 U1.21 U1.22 U1.26 U1.28 U1.29 U1.34 U1.40 U1.41 U1.42 U1.46 U1.47 U1.48 U1.49 U1.50 U1.53 U1.54 U1.55 U1.56 U1.57 U1.58 U1.59 U1.60 U1.63 U1.64 U1.65 U1.66 U1.67 U1.68 U1.75 U1.87 U1.100 U1.101 U1.102 U1.110 U1.111 U1.112 U1.113 U1.116 U1.118 U1.119 U1.122 U1.123 U1.124 U1.125 U1.127 U1.132 U1.133 U1.134 U1.135 U1.136 U1.137 U1.139 U1.140 U1.141 U1.142 U2.2 U2.3 U2.4 U2.5 U2.6 U2.9 U2.10 U2.13 U2.14 U3.5 U4.5

## Polygon pours and split planes (outlines as drawn)
GND on Top Layer "NONET_L01_P-001" (solid, remove dead copper, pour order 13): 6380,1970 ccw(c6380,2080) 6490,2080 6490,4945 ccw(c6376,4945) 6376,5059 1537.99,5059 1537.99,2082.01 ccw(c1650,2082.01) 1650,1970
NetF1_1 on Top Layer "NONET_L01_P-001" (solid, pour order 12): 1870,4237.5 ccw(c1870,4137.5) 1770,4137.5 1770,3242.5 2265,3242.5 2265,3967.5 2265,4237.5
no net on Top Layer "NONET_L01_P-001" (solid, pour order 11): 1870,4237.5 ccw(c1870,4137.5) 1770,4137.5 1770,3242.5 2265,3242.5 2265,3967.5 2265,4237.5
GBAT on Top Layer "NONET_L01_P-001" (solid, pour order 9): 2184.89,2960 2261,2960 ccw(c2261,3060) 2361,3060 2361,3123 2361,3667 ccw(c2261,3667) 2261,3767 2184.89,3767
NetD1_1 on Top Layer "NONET_L01_P-001" (solid, pour order 5): 2300,4040 2490,4040 2490,4445 2300,4445
GND on Bottom Layer "NONET_L01_P-001" (solid, remove dead copper, pour order 16): 6379.22,1969.78 ccw(c6379.22,2079.78) 6489.22,2079.78 6489.22,4944.78 ccw(c6375.22,4944.78) 6375.22,5058.78 1537.21,5058.78 1537.21,2081.79 ccw(c1649.22,2081.79) 1649.22,1969.78
NetF1_1 on Bottom Layer "NONET_L01_P-001" (solid, pour order 0): 1870,4237.5 ccw(c1870,4137.5) 1770,4137.5 1770,3242.5 2265,3242.5 2265,3967.5 2265,4237.5
GBAT on Bottom Layer "NONET_L01_P-001" (solid, pour order 2): 2184.89,2960 2261,2960 ccw(c2261,3060) 2361,3060 2361,3123 2361,3667 ccw(c2261,3667) 2261,3767 2184.89,3767
NetD1_1 on Bottom Layer "NONET_L01_P-001" (solid, pour order 4): 2300,4040 2490,4040 2490,4445 2300,4445

## Silkscreen, mask and mechanical layers (free items; w line width, h text height)
Top Overlay:
  text "RobotCtrl" at 5290.13,3990.02 h100
  text "V1.0 Beta" at 5595.08,3880.01 h60
  text "By Power Lin" at 4890.07,2656.67 h40
Mechanical 1:
  lines w10: 2135,2138 cw(c2247,2138) 2247,2250 3318,2250 cw(c3318,2138) 3430,2138 3430,2082 ; 2135,2138 2135,2082 cw(c2023,2082) 2023,1970 1650,1970 cw(c1650,2082) 1538,2082 1538,5059 1575,5059 6378,5059 cw(c6378,4947) 6490,4947 6490,2082 cw(c6378,2082) 6378,1970 3542,1970 cw(c3542,2082) 3430,2082 ; 2135,2138 2135,2138 ; 3430,2082 3430,2082 ; 3430,2082 3430,2082

## Text inside footprints (layer, text, board x,y; h text height)
P1: Top Overlay "+" at 2263.63,3459.4 h78.74 r90
P2: Top Overlay "+" at 2263.63,4097.52 h78.74 r90
U2: Top Overlay "TX" at 5309.39,3723.05 h39.37 r180; Top Overlay "RX" at 5309.39,3669.25 h39.37 r180; Top Overlay "SDA" at 5309.39,3619.25 h39.37 r180; Top Overlay "SCL" at 5309.39,3569.25 h39.37 r180; Top Overlay "SWD" at 5309.39,3519.25 h39.37 r180; Top Overlay "SWC" at 5309.39,3469.25 h39.37 r180; Top Overlay "GND" at 5309.39,3419.25 h39.37 r180; Top Overlay "D5" at 5586.19,3720.65 h39.37 r180; Top Overlay "D4" at 5586.19,3670.65 h39.37 r180; Top Overlay "D3" at 5586.19,3620.65 h39.37 r180; Top Overlay "D2" at 5586.19,3570.65 h39.37 r180; Top Overlay "D1" at 5586.19,3520.65 h39.37 r180; Top Overlay "D0" at 5586.19,3470.65 h39.37 r180; Top Overlay "VCC" at 5586.19,3420.65 h39.37 r180